# KiCad board Thermal_Camera.kicad_pcb (continued)
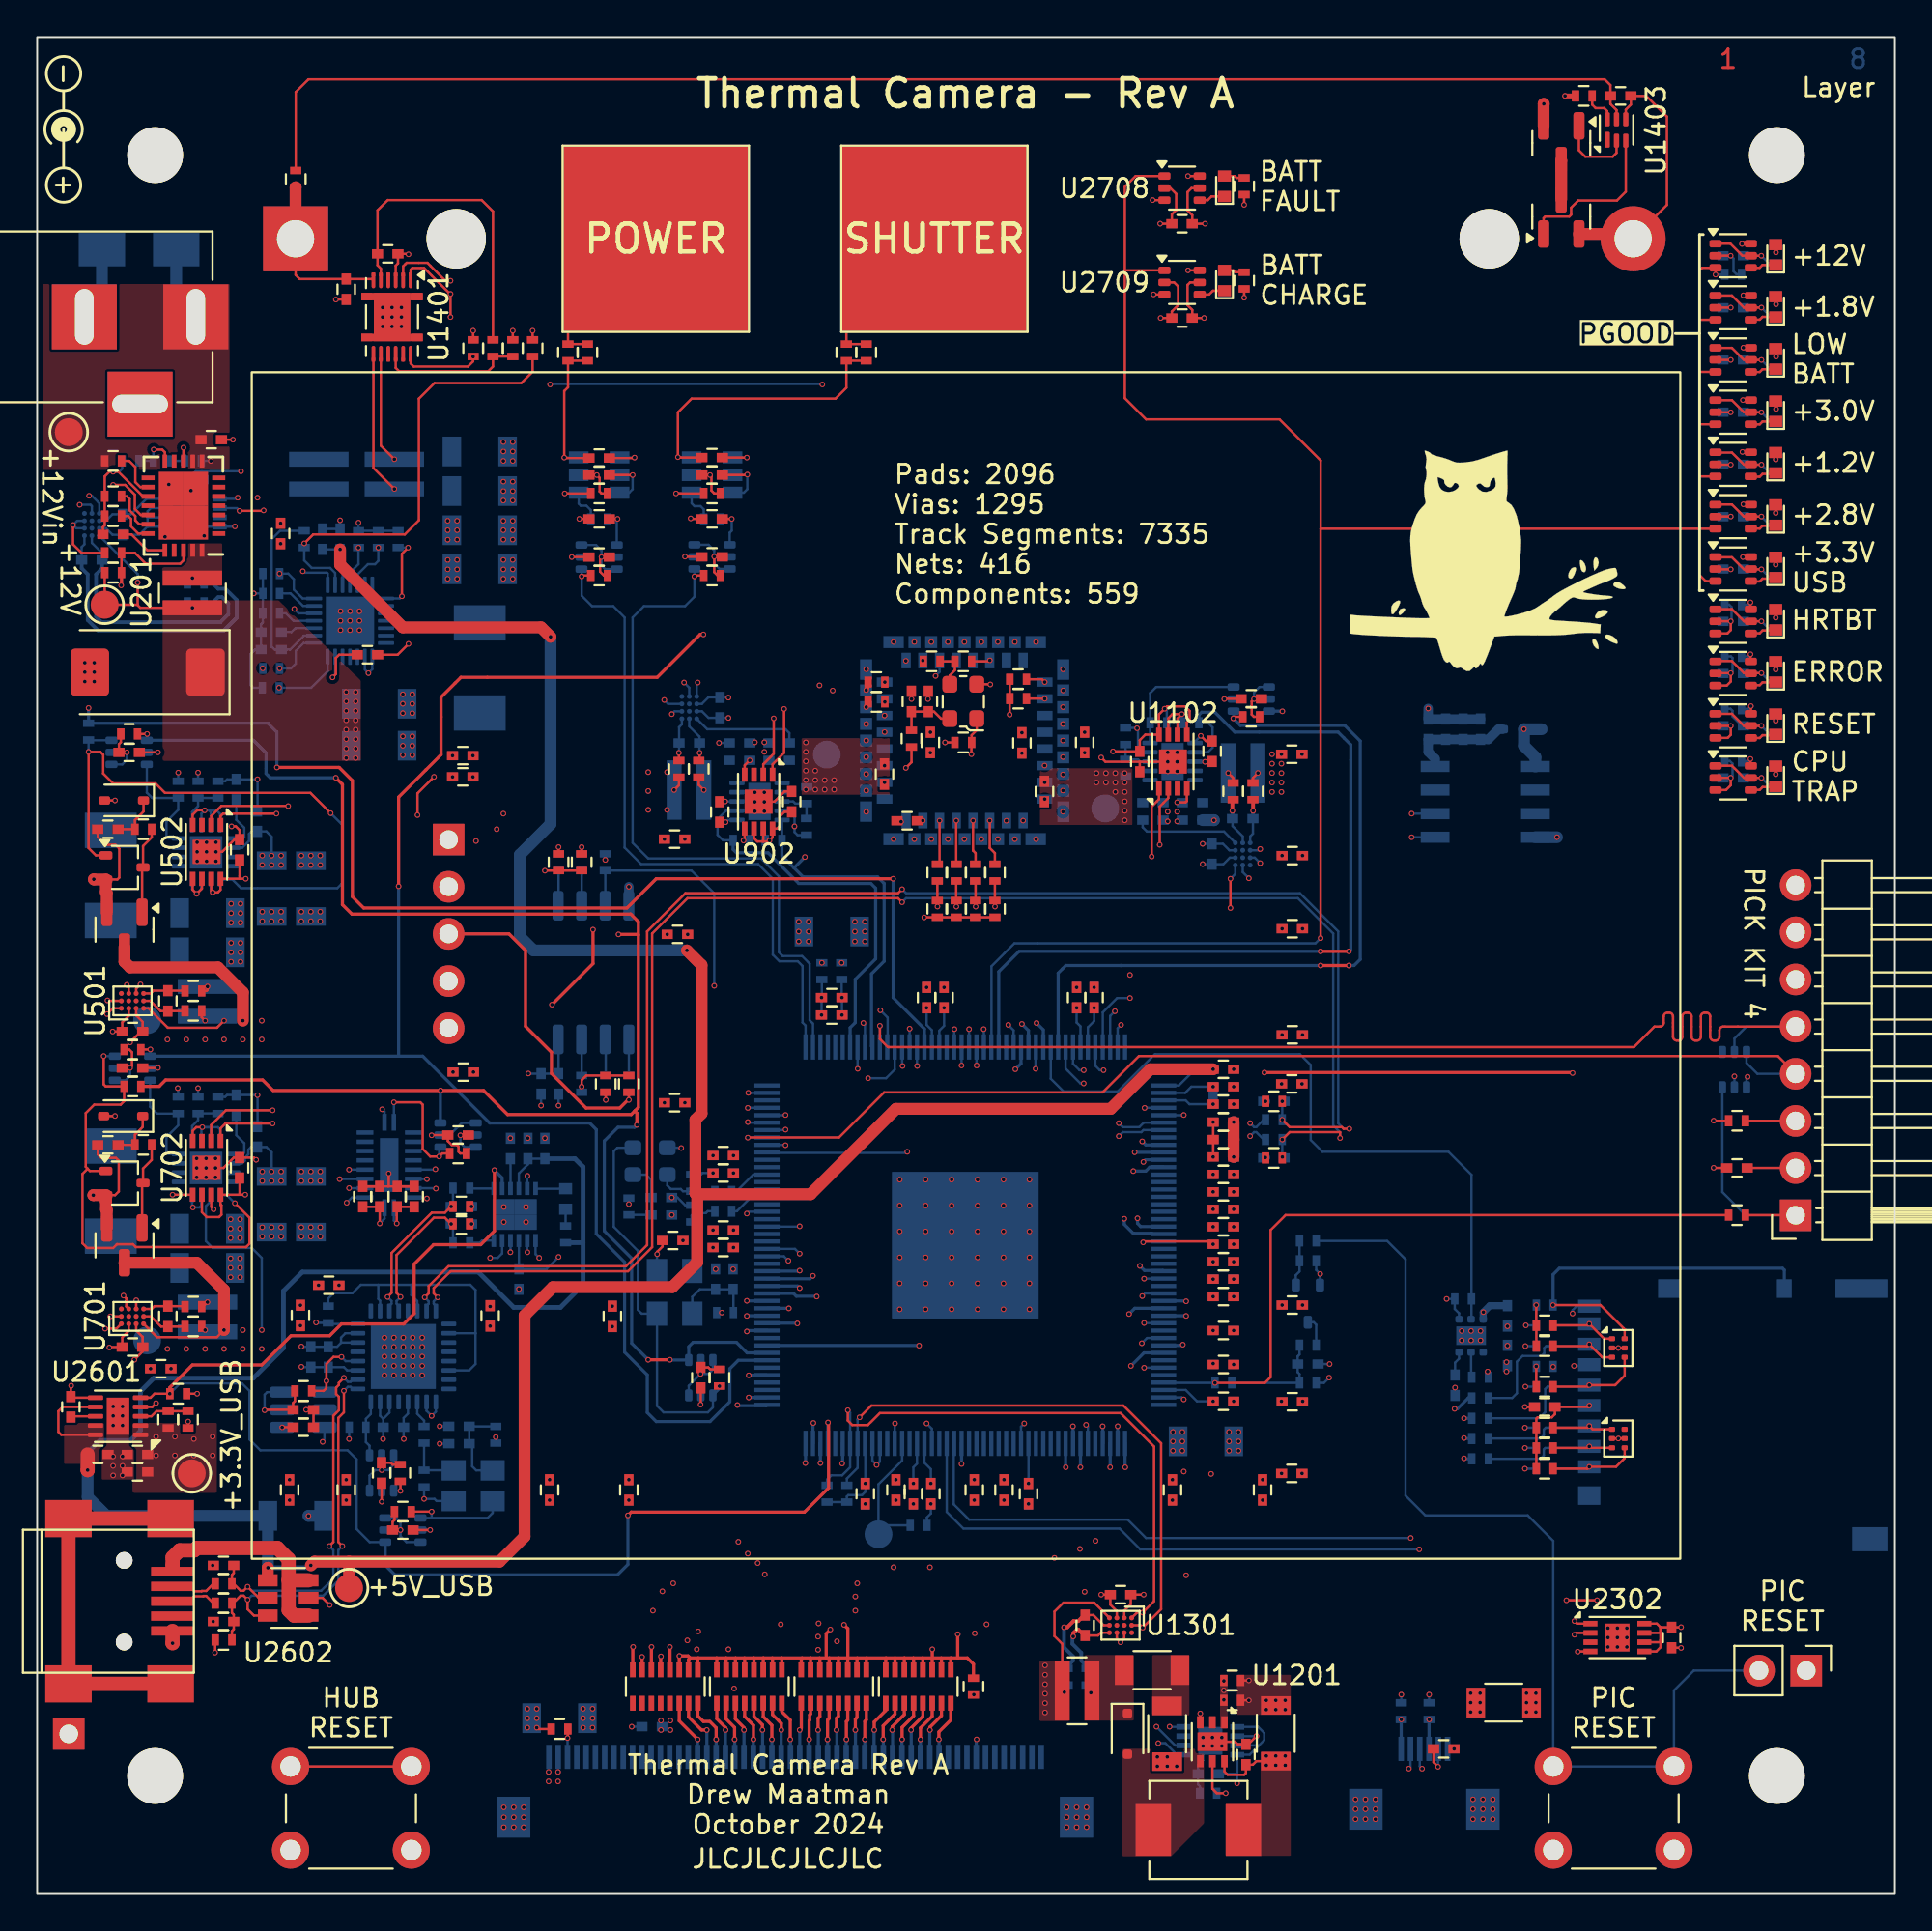
[diagram p0: board, top side]
## Routing (per net, layer and track width the routed paths; a pad name or vN(x,y) marks a point on that pad's centre or on a via; arc(x,y) is an arc through that point) (continued)
  In5.Cu w0.169: v1(51.1,14.52) 49.25,14.52 48.59,13.86 43.31,13.86 v1(43.05,13.6)
  Bottom w0.169: v1(43.03,8.83) 43.05,8.81 J2101.23 ; U1701.75 59.08,31.54 v1(58.78,31.23)
GLCD_G4: length 45.6
  Top w0.169: v1(42.55,8.32) 42.55,9.36 42.63,9.45 RN2102.12
  In2.Cu w0.169: v1(42.04,13.86) 42.55,13.35 v1(42.55,8.32) ; v1(38.3,26.73) 38.3,26.12 35.56,23.38 35.56,21.89 arc(35.52,21.79) 35.41,21.74 35.14,21.74 arc(35.03,21.7) 34.99,21.6 34.99,21.52 arc(35.03,21.42) 35.14,21.37 35.41,21.37 arc(35.52,21.33) 35.56,21.23 35.56,21.15 arc(35.52,21.05) 35.41,21 35.14,21 arc(35.03,20.96) 34.99,20.86 34.99,20.78 arc(35.03,20.68) 35.14,20.63 35.41,20.63 arc(35.52,20.59) 35.56,20.49 35.56,20.41 arc(35.52,20.31) 35.41,20.26 35.14,20.26 arc(35.03,20.22) 34.99,20.12 34.99,20.04 arc(35.03,19.94) 35.14,19.89 35.41,19.89 arc(35.52,19.85) 35.56,19.75 35.56,19.67 arc(35.52,19.57) 35.41,19.52 35.14,19.52 arc(35.03,19.48) 34.99,19.38 34.99,19.3 arc(35.03,19.2) 35.14,19.15 35.41,19.15 arc(35.52,19.11) 35.56,19.01 35.56,18.93 arc(35.52,18.83) 35.41,18.78 35.14,18.78 arc(35.03,18.74) 34.99,18.64 34.99,18.56 arc(35.03,18.46) 35.14,18.41 35.41,18.41 arc(35.52,18.37) 35.56,18.27 35.56,18.19 arc(35.52,18.09) 35.41,18.04 35.14,18.04 arc(35.03,18) 34.99,17.9 34.99,17.82 arc(35.03,17.72) 35.14,17.67 35.41,17.67 arc(35.52,17.63) 35.56,17.53 35.56,17.45 arc(35.52,17.35) 35.41,17.3 35.14,17.3 arc(35.03,17.26) 34.99,17.16 34.99,17.08 arc(35.03,16.98) 35.14,16.93 35.41,16.93 arc(35.52,16.89) 35.56,16.79 35.56,16.71 arc(35.52,16.61) 35.41,16.56 35.14,16.56 arc(35.03,16.52) 34.99,16.42 34.99,16.34 arc(35.03,16.24) 35.14,16.19 35.41,16.19 arc(35.52,16.15) 35.56,16.05 35.56,15.97 arc(35.52,15.87) 35.41,15.82 35.14,15.82 arc(35.03,15.78) 34.99,15.68 34.99,15.6 arc(35.03,15.5) 35.14,15.45 35.41,15.45 arc(35.52,15.41) 35.56,15.31 35.56,15.23 arc(35.52,15.13) 35.41,15.08 35.14,15.08 arc(35.03,15.04) 34.99,14.94 34.99,14.86 arc(35.03,14.76) 35.14,14.71 35.41,14.71 arc(35.52,14.67) 35.56,14.57 35.56,14.16 v1(35.59,14.14)
  In5.Cu w0.169: v1(42.04,13.86) 41.86,14.03 39.6,14.03 arc(39.5,14.08) 39.46,14.18 39.46,14.69 arc(39.41,14.79) 39.31,14.83 39.24,14.83 arc(39.14,14.79) 39.1,14.69 39.1,14.18 arc(39.05,14.08) 38.95,14.03 38.88,14.03 arc(38.78,14.08) 38.74,14.18 38.74,14.69 arc(38.69,14.79) 38.59,14.83 38.52,14.83 arc(38.42,14.79) 38.38,14.69 38.38,14.18 arc(38.33,14.08) 38.23,14.03 38.16,14.03 arc(38.06,14.08) 38.02,14.18 38.02,14.69 arc(37.97,14.79) 37.87,14.83 37.8,14.83 arc(37.7,14.79) 37.66,14.69 37.66,14.18 arc(37.61,14.08) 37.51,14.03 37.44,14.03 arc(37.34,14.08) 37.3,14.18 37.3,14.69 arc(37.25,14.79) 37.15,14.83 37.08,14.83 arc(36.98,14.79) 36.94,14.69 36.94,14.18 arc(36.89,14.08) 36.79,14.03 36.72,14.03 arc(36.62,14.08) 36.58,14.18 36.58,14.69 arc(36.53,14.79) 36.43,14.83 36.36,14.83 arc(36.26,14.79) 36.22,14.69 36.22,14.18 arc(36.17,14.08) 36.07,14.03 35.69,14.03 v1(35.59,14.14)
  Bottom w0.169: v1(42.55,8.32) 42.55,8.31 J2101.24 ; v1(38.3,26.73) 38.31,26.74 U1701.134
GLCD_G5: length 48.1
  Top w0.169: v1(42.04,8.83) 42.04,9.46 42.13,9.56 RN2102.11
  In2.Cu w0.169: v1(42.04,8.83) v1(42.04,13.14) ; v1(37.69,26.33) 34.7,23.33 34.7,16.22 arc(34.66,16.14) 34.58,16.1 34.16,16.1 arc(34.08,16.07) 34.05,15.99 34.05,15.93 arc(34.08,15.85) 34.16,15.81 34.58,15.81 arc(34.66,15.78) 34.7,15.7 34.7,15.64 arc(34.66,15.56) 34.58,15.52 33.71,15.52 arc(33.63,15.49) 33.6,15.41 33.6,15.35 arc(33.63,15.27) 33.71,15.23 34.58,15.23 arc(34.66,15.2) 34.7,15.12 34.7,15.06 arc(34.66,14.98) 34.58,14.94 33.51,14.94 arc(33.43,14.91) 33.4,14.83 33.4,14.77 arc(33.43,14.69) 33.51,14.65 34.58,14.65 arc(34.66,14.62) 34.7,14.54 34.7,14.48 arc(34.66,14.4) 34.58,14.36 33.11,14.36 arc(33.03,14.33) 33,14.25 33,14.19 arc(33.03,14.11) 33.11,14.07 34.58,14.07 arc(34.66,14.04) 34.7,13.96 v1(35,13.65)
  In5.Cu w0.169: v1(35,13.65) 35.03,13.63 37.55,13.63 arc(37.67,13.58) 37.72,13.45 37.72,12.49 arc(37.77,12.37) 37.9,12.32 37.99,12.32 arc(38.11,12.37) 38.16,12.49 38.16,13.45 arc(38.21,13.58) 38.34,13.63 38.43,13.63 arc(38.55,13.58) 38.6,13.45 38.6,12.49 arc(38.65,12.37) 38.78,12.32 38.87,12.32 arc(38.99,12.37) 39.04,12.49 39.04,13.45 arc(39.09,13.58) 39.22,13.63 39.31,13.63 arc(39.43,13.58) 39.48,13.45 39.48,12.49 arc(39.53,12.37) 39.66,12.32 39.75,12.32 arc(39.87,12.37) 39.92,12.49 39.92,13.45 arc(39.97,13.58) 40.1,13.63 40.19,13.63 arc(40.31,13.58) 40.36,13.45 40.36,12.49 arc(40.41,12.37) 40.54,12.32 40.63,12.32 arc(40.75,12.37) 40.8,12.49 40.8,13.45 arc(40.85,13.58) 40.98,13.63 41.55,13.63 v1(42.04,13.14)
  Bottom w0.169: v1(42.04,8.83) 42.05,8.81 J2101.25 ; v1(37.69,26.33) 37.73,26.3 39.24,26.3 U1701.133
GLCD_G6: length 42.3
  Top w0.169: RN2102.10 41.63,9.69 41.58,9.64 41.58,9.36 41.55,9.33 v1(41.55,8.32)
  In2.Cu w0.169: v1(41.55,8.32) 41.55,9.2 arc(41.52,9.28) 41.43,9.32 arc(41.34,9.36) 41.3,9.45 41.3,9.54 arc(41.34,9.62) 41.43,9.66 41.65,9.66 arc(41.73,9.69) 41.75,9.76 41.75,9.9 arc(41.73,9.97) 41.65,10 41.43,10 arc(41.34,10.04) 41.3,10.13 41.3,10.22 arc(41.34,10.3) 41.43,10.34 41.65,10.34 arc(41.73,10.37) 41.75,10.44 41.75,10.58 arc(41.73,10.65) 41.65,10.68 41.43,10.68 arc(41.34,10.72) 41.3,10.81 41.3,10.9 arc(41.34,10.98) 41.43,11.02 41.65,11.02 arc(41.73,11.05) 41.75,11.12 41.75,11.26 arc(41.73,11.33) 41.65,11.36 41.43,11.36 arc(41.34,11.4) 41.3,11.49 41.3,11.58 arc(41.34,11.66) 41.43,11.7 41.65,11.7 arc(41.73,11.73) 41.75,11.8 41.75,11.94 arc(41.73,12.01) 41.65,12.04 41.43,12.04 arc(41.34,12.08) 41.3,12.17 41.3,12.26 arc(41.34,12.34) 41.43,12.38 41.65,12.38 arc(41.73,12.41) 41.75,12.48 41.75,12.62 arc(41.73,12.69) 41.65,12.72 41.43,12.72 arc(41.34,12.76) 41.3,12.85 41.3,12.94 arc(41.34,13.02) 41.43,13.06 arc(41.52,13.1) 41.55,13.19 41.55,13.28 arc(41.52,13.36) 41.43,13.4 arc(41.34,13.44) 41.3,13.53 41.3,13.62 arc(41.34,13.7) 41.43,13.74 arc(41.52,13.78) 41.55,13.87 41.55,13.96 arc(41.52,14.04) 41.43,14.08 arc(41.34,14.12) 41.3,14.21 41.3,14.3 arc(41.34,14.38) 41.43,14.42 arc(41.52,14.46) 41.55,14.55 41.55,14.64 arc(41.52,14.72) 41.43,14.76 arc(41.34,14.8) 41.3,14.89 41.3,14.98 arc(41.34,15.06) 41.43,15.1 41.68,15.1 arc(41.77,15.14) 41.8,15.23 41.8,15.32 arc(41.77,15.4) 41.68,15.44 41.43,15.44 arc(41.34,15.48) 41.3,15.57 41.3,15.66 arc(41.34,15.74) 41.43,15.78 41.68,15.78 arc(41.77,15.82) 41.8,15.91 41.8,16 arc(41.77,16.08) 41.68,16.12 41.43,16.12 arc(41.34,16.16) 41.3,16.25 41.3,16.34 arc(41.34,16.42) 41.43,16.46 41.68,16.46 arc(41.77,16.5) 41.8,16.59 41.8,16.68 arc(41.77,16.76) 41.68,16.8 arc(41.59,16.84) 41.55,16.93 41.55,17.39 41.35,17.59 arc(41.31,17.69) 41.22,17.73 40.79,17.73 arc(40.69,17.77) 40.65,17.86 40.65,17.93 arc(40.69,18.03) 40.79,18.07 41.67,18.07 arc(41.76,18.11) 41.8,18.2 41.8,18.27 arc(41.76,18.37) 41.67,18.41 40.79,18.41 arc(40.69,18.45) 40.65,18.54 40.65,18.61 arc(40.69,18.71) 40.79,18.75 41.67,18.75 arc(41.76,18.79) 41.8,18.88 41.8,18.95 arc(41.76,19.05) 41.67,19.09 40.79,19.09 arc(40.69,19.13) 40.65,19.22 40.65,19.29 arc(40.69,19.39) 40.79,19.43 41.67,19.43 arc(41.76,19.47) 41.8,19.56 41.8,19.63 arc(41.76,19.73) 41.67,19.77 40.79,19.77 arc(40.69,19.81) 40.65,19.9 40.65,19.97 arc(40.69,20.07) 40.79,20.11 42.12,20.11 arc(42.21,20.15) 42.25,20.24 42.25,20.31 arc(42.21,20.41) 42.12,20.45 40.79,20.45 arc(40.69,20.49) 40.65,20.58 40.65,20.65 arc(40.69,20.75) 40.79,20.79 42.22,20.79 arc(42.31,20.83) 42.35,20.92 42.35,20.99 arc(42.31,21.09) 42.22,21.13 40.79,21.13 arc(40.69,21.17) 40.65,21.26 40.65,21.33 arc(40.69,21.43) 40.79,21.47 42.22,21.47 arc(42.31,21.51) 42.35,21.6 42.35,21.67 arc(42.31,21.77) 42.22,21.81 40.79,21.81 arc(40.69,21.85) 40.65,21.94 40.65,22.01 arc(40.69,22.11) 40.79,22.15 41.22,22.15 arc(41.31,22.19) 41.35,22.28 v1(41.35,23.2)
  Bottom w0.169: U1701.132 41.36,23.21 v1(41.35,23.2) ; J2101.26 41.55,8.31 v1(41.55,8.32)
GLCD_G7: length 43.1
  Top w0.169: RN2102.9 41.13,8.91 v1(41.05,8.83)
  In2.Cu w0.169: v1(41.05,8.83) 41.05,14.71 arc(41,14.83) 40.87,14.88 40.81,14.88 arc(40.69,14.93) 40.64,15.05 40.64,15.14 arc(40.69,15.26) 40.81,15.31 40.87,15.31 arc(41,15.36) 41.05,15.48 41.05,15.57 arc(41,15.69) 40.87,15.74 40.06,15.74 arc(39.94,15.79) 39.89,15.91 39.89,16 arc(39.94,16.12) 40.06,16.17 40.87,16.17 arc(41,16.22) 41.05,16.34 41.05,16.57 40.36,17.26 arc(40.31,17.38) 40.19,17.43 40.07,17.43 arc(39.95,17.48) 39.9,17.6 39.9,17.69 arc(39.95,17.81) 40.07,17.86 40.19,17.86 arc(40.31,17.91) 40.36,18.03 40.36,18.12 arc(40.31,18.24) 40.19,18.29 39.52,18.29 arc(39.4,18.34) 39.35,18.46 39.35,18.55 arc(39.4,18.67) 39.52,18.72 40.19,18.72 arc(40.31,18.77) 40.36,18.89 40.36,18.98 arc(40.31,19.1) 40.19,19.15 39.02,19.15 arc(38.9,19.2) 38.85,19.32 38.85,19.41 arc(38.9,19.53) 39.02,19.58 40.19,19.58 arc(40.31,19.63) 40.36,19.75 40.36,19.84 arc(40.31,19.96) 40.19,20.01 39.02,20.01 arc(38.9,20.06) 38.85,20.18 38.85,20.27 arc(38.9,20.39) 39.02,20.44 40.19,20.44 arc(40.31,20.49) 40.36,20.61 40.36,20.7 arc(40.31,20.82) 40.19,20.87 39.02,20.87 arc(38.9,20.92) 38.85,21.04 38.85,21.13 arc(38.9,21.25) 39.02,21.3 40.19,21.3 arc(40.31,21.35) 40.36,21.47 40.36,21.56 arc(40.31,21.68) 40.19,21.73 39.02,21.73 arc(38.9,21.78) 38.85,21.9 38.85,21.99 arc(38.9,22.11) 39.02,22.16 40.19,22.16 arc(40.31,22.21) 40.36,22.33 40.36,22.42 arc(40.31,22.54) 40.19,22.59 39.12,22.59 arc(39,22.64) 38.95,22.76 38.95,22.85 arc(39,22.97) 39.12,23.02 40.7,23.02 arc(40.82,23.07) 40.87,23.19 40.87,23.28 arc(40.82,23.4) 40.7,23.45 40.53,23.45 arc(40.41,23.5) 40.36,23.62 40.36,23.94 40.7,24.28 arc(40.74,24.37) 40.7,24.46 arc(40.66,24.55) 40.7,24.65 40.82,24.77 arc(40.91,24.8) 41,24.77 41.79,23.98 arc(41.92,23.93) 42.04,23.98 42.1,24.04 arc(42.15,24.16) 42.1,24.28 41.52,24.86 arc(41.47,24.98) 41.52,25.1 v1(41.78,25.36)
  Bottom w0.169: v1(41.78,25.36) 41.76,25.34 U1701.131 ; v1(41.05,8.83) 41.05,8.82 J2101.27
GLCD_GCLK: length 44
  Top w0.169: RN2104.14 34.56,9.31 v1(35.56,8.32)
  In2.Cu w0.169: v1(41.96,32.17) 41.72,32.17 40.48,30.93 40.48,30.32 41.05,29.76 41.05,29.08 arc(41,28.97) 40.9,28.93 arc(40.79,28.88) 40.75,28.78 40.75,28.48 arc(40.79,28.37) 40.9,28.33 arc(41,28.28) 41.05,28.18 41.05,27.88 arc(41,27.77) 40.9,27.73 arc(40.79,27.68) 40.75,27.58 40.75,27.28 arc(40.79,27.17) 40.9,27.13 arc(41,27.08) 41.05,26.98 41.05,26.33 40.5,25.78 arc(40.38,25.73) 40.25,25.78 arc(40.13,25.83) 40,25.78 39.83,25.6 arc(39.78,25.48) 39.83,25.36 arc(39.88,25.23) 39.83,25.11 39.65,24.93 arc(39.53,24.88) 39.4,24.93 arc(39.28,24.98) 39.16,24.93 38.98,24.76 arc(38.93,24.63) 38.98,24.51 arc(39.03,24.38) 38.98,24.26 37.21,22.49 v1(37.21,13.17) ; v1(35.51,13.17) 35.51,12.23 arc(35.45,12.1) 35.32,12.05 34.7,12.05 arc(34.56,11.99) 34.51,11.86 34.51,11.76 arc(34.56,11.63) 34.7,11.58 35.63,11.58 arc(35.72,11.54) 35.76,11.45 35.76,11.23 arc(35.72,11.14) 35.63,11.11 34.7,11.11 arc(34.56,11.05) 34.51,10.92 34.51,10.82 arc(34.56,10.69) 34.7,10.64 35.63,10.64 arc(35.72,10.6) 35.76,10.51 35.76,10.29 arc(35.72,10.2) 35.63,10.17 34.7,10.17 arc(34.56,10.11) 34.51,9.98 34.51,9.88 arc(34.56,9.75) 34.7,9.7 35.63,9.7 arc(35.72,9.66) 35.76,9.57 35.76,9.35 arc(35.72,9.26) 35.63,9.23 34.75,9.23 arc(34.61,9.17) 34.56,9.04 34.56,8.94 arc(34.61,8.81) 34.75,8.76 35.32,8.76 arc(35.45,8.7) 35.51,8.57 35.51,8.37 v1(35.56,8.32)
  In5.Cu w0.169: v1(37.21,13.17) v1(35.51,13.17)
  Bottom w0.169: v1(41.96,32.17) 41.94,32.19 40.86,32.19 40.71,32.34 U1701.148 ; v1(35.56,8.32) 35.55,8.31 J2101.38
GLCD_GEN: length 30.1
  Top w0.127: R2104.1 28.57,8.41 v1(28.55,8.39)
  In2.Cu w0.169: v1(38.2,31.94) 32.59,26.33 32.59,16.5 28.55,12.46 v1(28.55,8.39)
  Bottom w0.127: J2101.52 v1(28.55,8.39)
  Bottom w0.169: v1(38.2,31.94) 38.2,31.94 U1701.147
GLCD_HSYNC: length 47.7
  Top w0.169: v1(36.55,8.32) 36.55,8.94 36.21,9.28 35.86,9.28 35.56,9.58 RN2104.16
  In2.Cu w0.169: v1(36.55,8.32) 36.55,9.17 arc(36.51,9.26) 36.43,9.3 arc(36.34,9.33) 36.3,9.42 36.3,9.54 arc(36.34,9.63) 36.43,9.67 37.1,9.67 arc(37.21,9.71) 37.25,9.82 37.25,9.89 arc(37.21,9.99) 37.1,10.04 36.43,10.04 arc(36.34,10.07) 36.3,10.16 36.3,10.28 arc(36.34,10.37) 36.43,10.41 37.1,10.41 arc(37.21,10.45) 37.25,10.56 37.25,10.63 arc(37.21,10.73) 37.1,10.78 36.43,10.78 arc(36.34,10.81) 36.3,10.9 36.3,11.02 arc(36.34,11.11) 36.43,11.15 36.85,11.15 arc(36.96,11.19) 37,11.3 37,11.37 arc(36.96,11.47) 36.85,11.52 36.43,11.52 arc(36.34,11.55) 36.3,11.64 36.3,11.76 arc(36.34,11.85) 36.43,11.89 37.4,11.89 arc(37.51,11.93) 37.55,12.04 37.55,12.11 arc(37.51,12.21) 37.4,12.26 36.43,12.26 arc(36.34,12.29) 36.3,12.38 36.3,12.5 arc(36.34,12.59) 36.43,12.63 arc(36.51,12.66) 36.55,12.75 36.55,13.82 arc(36.51,13.9) 36.43,13.94 arc(36.34,13.98) 36.3,14.07 36.3,14.2 arc(36.34,14.28) 36.43,14.32 36.8,14.32 arc(36.91,14.37) 36.95,14.47 36.95,14.55 arc(36.91,14.66) 36.8,14.7 36.43,14.7 arc(36.34,14.74) 36.3,14.83 36.3,14.96 arc(36.34,15.04) 36.43,15.08 36.8,15.08 arc(36.91,15.13) 36.95,15.23 36.95,15.31 arc(36.91,15.42) 36.8,15.46 36.43,15.46 arc(36.34,15.5) 36.3,15.59 36.3,15.72 arc(36.34,15.8) 36.43,15.84 36.8,15.84 arc(36.91,15.89) 36.95,15.99 36.95,16.07 arc(36.91,16.18) 36.8,16.22 36.43,16.22 arc(36.34,16.26) 36.3,16.35 36.3,16.48 arc(36.34,16.56) 36.43,16.6 36.8,16.6 arc(36.91,16.65) 36.95,16.75 36.95,16.83 arc(36.91,16.94) 36.8,16.98 36.43,16.98 arc(36.34,17.02) 36.3,17.11 36.3,17.24 arc(36.34,17.32) 36.43,17.36 36.8,17.36 arc(36.91,17.41) 36.95,17.51 36.95,17.59 arc(36.91,17.7) 36.8,17.74 36.43,17.74 arc(36.34,17.78) 36.3,17.87 36.3,18 arc(36.34,18.08) 36.43,18.12 36.8,18.12 arc(36.91,18.17) 36.95,18.27 36.95,18.35 arc(36.91,18.46) 36.8,18.5 36.43,18.5 arc(36.34,18.54) 36.3,18.63 36.3,18.76 arc(36.34,18.84) 36.43,18.88 36.8,18.88 arc(36.91,18.93) 36.95,19.03 36.95,19.11 arc(36.91,19.22) 36.8,19.26 36.43,19.26 arc(36.34,19.3) 36.3,19.39 36.3,19.52 arc(36.34,19.6) 36.43,19.64 36.8,19.64 arc(36.91,19.69) 36.95,19.79 36.95,19.87 arc(36.91,19.98) 36.8,20.02 36.7,20.02 arc(36.6,20.07) 36.55,20.17 36.55,22.72 40.46,26.63 40.46,29.35 39.62,30.19 39.62,31.41 40.84,32.63 v1(41.05,32.63)
  Bottom w0.169: v1(36.55,8.32) 36.55,8.32 J2101.36 ; v1(41.05,32.63) 40.94,32.74 U1701.149
GLCD_R0: length 49.7
  Top w0.169: RN2103.16 40.09,9.81 40.54,9.36 v1(40.54,8.32)
  In2.Cu w0.169: v1(40.92,30.72) 41.88,29.76 41.88,29.29 arc(41.92,29.2) 42.02,29.16 42.38,29.16 arc(42.47,29.12) 42.51,29.02 42.51,28.95 arc(42.47,28.86) 42.38,28.82 41.44,28.82 arc(41.34,28.78) 41.3,28.68 41.3,28.61 arc(41.34,28.52) 41.44,28.48 42.38,28.48 arc(42.47,28.44) 42.51,28.34 42.51,28.27 arc(42.47,28.18) 42.38,28.14 41.44,28.14 arc(41.34,28.1) 41.3,28 41.3,27.93 arc(41.34,27.84) 41.44,27.8 42.38,27.8 arc(42.47,27.76) 42.51,27.66 42.51,27.59 arc(42.47,27.5) 42.38,27.46 41.44,27.46 arc(41.34,27.42) 41.3,27.32 41.3,27.25 arc(41.34,27.16) 41.44,27.12 42.38,27.12 arc(42.47,27.08) 42.51,26.98 42.51,26.91 arc(42.47,26.82) 42.38,26.78 42.02,26.78 arc(41.92,26.74) 41.88,26.64 41.88,26.25 41.63,26 arc(41.53,25.96) 41.44,26 41.36,26.07 arc(41.26,26.11) 41.17,26.07 41.12,26.02 arc(41.08,25.93) 41.12,25.83 41.2,25.76 arc(41.24,25.66) 41.2,25.56 41.15,25.51 arc(41.05,25.47) 40.96,25.51 40.88,25.59 arc(40.78,25.63) 40.69,25.59 40.64,25.54 arc(40.6,25.45) 40.64,25.35 40.72,25.27 arc(40.76,25.18) 40.72,25.08 40.67,25.03 arc(40.57,24.99) 40.48,25.03 40.4,25.11 arc(40.3,25.15) 40.21,25.11 40.16,25.06 arc(40.12,24.97) 40.16,24.87 40.23,24.79 arc(40.27,24.7) 40.23,24.6 40.19,24.55 arc(40.09,24.51) 39.99,24.55 39.92,24.63 arc(39.82,24.67) 39.73,24.63 39.68,24.58 arc(39.64,24.49) 39.68,24.39 40.06,24.01 arc(40.1,23.91) 40.06,23.82 40.01,23.77 arc(39.91,23.73) 39.82,23.77 39.44,24.15 arc(39.34,24.19) 39.24,24.15 39.2,24.1 arc(39.16,24) 39.2,23.91 39.54,23.56 arc(39.58,23.47) 39.54,23.37 39.49,23.32 arc(39.4,23.28) 39.3,23.32 38.96,23.67 arc(38.86,23.71) 38.76,23.67 38.72,23.62 arc(38.68,23.52) 38.72,23.43 38.79,23.35 arc(38.83,23.25) 38.79,23.16 38.74,23.11 arc(38.65,23.07) 38.55,23.11 38.48,23.19 arc(38.38,23.23) 38.28,23.19 38.24,23.14 arc(38.2,23.04) 38.24,22.95 38.62,22.57 arc(38.66,22.47) 38.62,22.37 38.57,22.33 arc(38.47,22.29) 38.38,22.33 38.26,22.44 arc(38.17,22.48) 38.07,22.44 37.8,22.16 37.8,21.89 arc(37.84,21.8) 37.93,21.76 38.39,21.76 arc(38.49,21.72) 38.53,21.62 38.53,21.55 arc(38.49,21.46) 38.39,21.42 37.65,21.42 arc(37.56,21.38) 37.52,21.28 37.52,21.21 arc(37.56,21.12) 37.65,21.08 38.39,21.08 arc(38.49,21.04) 38.53,20.94 38.53,20.87 arc(38.49,20.78) 38.39,20.74 37.65,20.74 arc(37.56,20.7) 37.52,20.6 37.52,20.53 arc(37.56,20.44) 37.65,20.4 38.39,20.4 arc(38.49,20.36) 38.53,20.26 38.53,20.19 arc(38.49,20.1) 38.39,20.06 37.93,20.06 arc(37.84,20.02) 37.8,19.92 37.8,19.53 38.05,19.28 arc(38.14,19.24) 38.24,19.28 38.32,19.35 arc(38.41,19.39) 38.51,19.35 38.56,19.31 arc(38.6,19.21) 38.56,19.11 38.48,19.04 arc(38.44,18.94) 38.48,18.85 38.53,18.8 arc(38.62,18.76) 38.72,18.8 38.76,18.84 arc(38.86,18.88) 38.95,18.84 39,18.79 arc(39.04,18.69) 39,18.6 38.96,18.56 arc(38.92,18.46) 38.96,18.36 39.61,17.72 39.61,15.6 40.54,14.67 v1(40.54,8.32)
  Bottom w0.169: U1701.144 40.9,30.74 v1(40.92,30.72) ; J2101.28 40.55,8.31 v1(40.54,8.32)
GLCD_R1: length 42.4
  Top w0.169: v1(40.06,8.83) 40.06,9.18 39.59,9.65 RN2103.15
  In2.Cu w0.169: v1(42.06,14.57) 42.06,14.79 arc(42.12,14.91) 42.24,14.97 43.4,14.97 arc(43.53,15.02) 43.58,15.15 43.58,15.24 arc(43.53,15.36) 43.4,15.42 42.24,15.42 arc(42.12,15.47) 42.06,15.6 42.06,15.69 arc(42.12,15.81) 42.24,15.87 43.4,15.87 arc(43.53,15.92) 43.58,16.05 43.58,16.14 arc(43.53,16.26) 43.4,16.32 42.24,16.32 arc(42.12,16.37) 42.06,16.5 42.06,16.59 arc(42.12,16.71) 42.24,16.77 43.4,16.77 arc(43.53,16.82) 43.58,16.95 43.58,17.04 arc(43.53,17.16) 43.4,17.22 42.24,17.22 arc(42.12,17.27) 42.06,17.4 42.06,17.49 arc(42.12,17.61) 42.24,17.67 43.4,17.67 arc(43.53,17.72) 43.58,17.85 43.58,17.94 arc(43.53,18.06) 43.4,18.12 42.24,18.12 arc(42.12,18.17) 42.06,18.3 42.06,18.39 arc(42.12,18.51) 42.24,18.57 42.75,18.57 arc(42.88,18.62) 42.93,18.75 42.93,18.84 arc(42.88,18.96) 42.75,19.02 42.24,19.02 arc(42.12,19.07) 42.06,19.2 42.06,19.62 42.6,20.16 arc(42.68,20.19) 42.75,20.16 43.16,19.75 arc(43.24,19.72) 43.31,19.75 43.35,19.79 arc(43.38,19.86) 43.35,19.93 42.62,20.66 arc(42.59,20.73) 42.62,20.8 42.66,20.84 arc(42.73,20.87) 42.8,20.84 42.97,20.67 arc(43.04,20.64) 43.11,20.67 43.33,20.89 43.33,21.08 arc(43.36,21.15) 43.44,21.18 43.52,21.18 arc(43.59,21.21) 43.62,21.28 43.62,21.33 arc(43.59,21.41) 43.52,21.44 42.75,21.44 arc(42.67,21.47) 42.64,21.54 42.64,21.59 arc(42.67,21.66) 42.75,21.69 43.52,21.69 arc(43.59,21.72) 43.62,21.8 43.62,21.85 arc(43.59,21.92) 43.52,21.95 42.55,21.95 arc(42.47,21.98) 42.44,22.06 42.44,22.11 arc(42.47,22.18) 42.55,22.21 43.52,22.21 arc(43.59,22.24) 43.62,22.31 43.62,22.36 arc(43.59,22.44) 43.52,22.47 42.2,22.47 arc(42.12,22.5) 42.09,22.57 42.09,22.62 arc(42.12,22.7) 42.2,22.73 43.23,22.73 arc(43.3,22.76) 43.33,22.83 v1(43.33,23.18) ; v1(40.06,8.83) 40.06,14.49 v1(40.03,14.52)
  In5.Cu w0.169: v1(42.06,14.57) 40.08,14.57 v1(40.03,14.52)
  Bottom w0.169: v1(43.33,23.18) 43.36,23.21 U1701.127 ; v1(40.06,8.83) 40.05,8.82 J2101.29
GLCD_R2: length 50.3
  Top w0.169: RN2103.14 39.09,9.54 39.55,9.08 v1(39.55,8.32)
  In2.Cu w0.169: v1(61.85,31.13) 62.16,30.82 62.16,17.47 v1(61.85,17.16) ; v1(39.17,17.21) 39.29,17.08 39.29,14.21 39.55,13.96 v1(39.55,8.32)
  In5.Cu w0.169: v1(61.85,17.16) 61.84,17.15 45.92,17.15 45.86,17.21 v1(39.17,17.21)
  Bottom w0.169: v1(61.85,31.13) 61.84,31.14 U1701.76 ; J2101.30 39.55,8.32 v1(39.55,8.32)
GLCD_R3: length 48.4
  Top w0.169: v1(39.04,8.83) 39.04,9.11 38.59,9.56 RN2103.13
  In2.Cu w0.169: v1(55.75,25.18) 54.76,24.19 54.76,23.82 arc(54.71,23.7) 54.58,23.64 53.74,23.64 arc(53.62,23.59) 53.56,23.46 53.56,23.37 arc(53.62,23.25) 53.74,23.19 54.58,23.19 arc(54.71,23.14) 54.76,23.01 54.76,22.92 arc(54.71,22.8) 54.58,22.74 53.89,22.74 arc(53.77,22.69) 53.71,22.56 53.71,22.47 arc(53.77,22.35) 53.89,22.29 54.58,22.29 arc(54.71,22.24) 54.76,22.11 54.76,22.02 arc(54.71,21.9) 54.58,21.84 53.84,21.84 arc(53.72,21.79) 53.66,21.66 53.66,21.57 arc(53.72,21.45) 53.84,21.39 54.58,21.39 arc(54.71,21.34) 54.76,21.21 54.76,21.12 arc(54.71,21) 54.58,20.94 53.94,20.94 arc(53.82,20.89) 53.76,20.76 53.76,20.67 arc(53.82,20.55) 53.94,20.49 54.58,20.49 arc(54.71,20.44) 54.76,20.31 54.76,20.22 arc(54.71,20.1) 54.58,20.04 53.74,20.04 arc(53.62,19.99) 53.56,19.86 53.56,19.77 arc(53.62,19.65) 53.74,19.59 54.58,19.59 arc(54.71,19.54) 54.76,19.41 54.76,19.32 arc(54.71,19.2) 54.58,19.14 53.74,19.14 arc(53.62,19.09) 53.56,18.96 53.56,18.87 arc(53.62,18.75) 53.74,18.69 54.58,18.69 arc(54.71,18.64) 54.76,18.51 v1(54.76,18.1) ; v1(38.79,17.82) 38.73,17.76 38.73,14.07 39.04,13.75 v1(39.04,8.83)
  In5.Cu w0.169: v1(38.79,17.82) 39.07,18.1 v1(54.76,18.1)
  Bottom w0.169: v1(39.04,8.83) 39.05,8.82 J2101.31 ; U1701.96 55.76,25.18 v1(55.75,25.18)
GLCD_R4: length 46.6
  Top w0.169: RN2103.12 38.09,9.55 38.56,9.08 v1(38.56,8.32)
  In2.Cu w0.169: v1(56.13,18.58) 56.13,18.82 arc(56.09,18.92) 55.99,18.96 55.77,18.96 arc(55.68,19) 55.63,19.1 55.63,19.17 arc(55.68,19.27) 55.77,19.31 56.49,19.31 arc(56.59,19.35) 56.63,19.45 56.63,19.52 arc(56.59,19.62) 56.49,19.66 55.77,19.66 arc(55.68,19.7) 55.63,19.8 55.63,19.87 arc(55.68,19.97) 55.77,20.01 56.49,20.01 arc(56.59,20.05) 56.63,20.15 56.63,20.22 arc(56.59,20.32) 56.49,20.36 55.77,20.36 arc(55.68,20.4) 55.63,20.5 55.63,20.57 arc(55.68,20.67) 55.77,20.71 56.49,20.71 arc(56.59,20.75) 56.63,20.85 56.63,20.92 arc(56.59,21.02) 56.49,21.06 55.77,21.06 arc(55.68,21.1) 55.63,21.2 55.63,21.27 arc(55.68,21.37) 55.77,21.41 56.49,21.41 arc(56.59,21.45) 56.63,21.55 56.63,21.62 arc(56.59,21.72) 56.49,21.76 56.27,21.76 arc(56.18,21.8) 56.13,21.9 56.13,22.95 v1(56.16,22.97) ; v1(38.25,18.33) 38.25,13.88 38.56,13.58 v1(38.56,8.32)
  In5.Cu w0.169: v1(56.13,18.58) 51.15,18.58 arc(51.08,18.55) 51.05,18.48 arc(51.02,18.41) 50.95,18.38 50.79,18.38 arc(50.72,18.41) 50.69,18.48 arc(50.66,18.55) 50.59,18.58 50.43,18.58 arc(50.36,18.55) 50.33,18.48 arc(50.3,18.41) 50.23,18.38 50.07,18.38 arc(50,18.41) 49.97,18.48 arc(49.94,18.55) 49.87,18.58 49.71,18.58 arc(49.64,18.55) 49.61,18.48 arc(49.58,18.41) 49.51,18.38 49.35,18.38 arc(49.28,18.41) 49.25,18.48 arc(49.22,18.55) 49.15,18.58 48.99,18.58 arc(48.92,18.55) 48.89,18.48 arc(48.86,18.41) 48.79,18.38 48.63,18.38 arc(48.56,18.41) 48.53,18.48 arc(48.5,18.55) 48.43,18.58 48.27,18.58 arc(48.2,18.55) 48.17,18.48 arc(48.14,18.41) 48.07,18.38 47.91,18.38 arc(47.84,18.41) 47.81,18.48 arc(47.78,18.55) 47.71,18.58 47.55,18.58 arc(47.48,18.55) 47.45,18.48 arc(47.42,18.41) 47.35,18.38 47.19,18.38 arc(47.12,18.41) 47.09,18.48 arc(47.06,18.55) 46.99,18.58 46.83,18.58 arc(46.76,18.55) 46.73,18.48 arc(46.7,18.41) 46.63,18.38 46.47,18.38 arc(46.4,18.41) 46.37,18.48 arc(46.34,18.55) 46.27,18.58 46.11,18.58 arc(46.04,18.55) 46.01,18.48 arc(45.98,18.41) 45.91,18.38 45.75,18.38 arc(45.68,18.41) 45.65,18.48 arc(45.62,18.55) 45.55,18.58 45.39,18.58 arc(45.32,18.55) 45.29,18.48 arc(45.26,18.41) 45.19,18.38 45.03,18.38 arc(44.96,18.41) 44.93,18.48 arc(44.9,18.55) 44.83,18.58 44.67,18.58 arc(44.6,18.55) 44.57,18.48 arc(44.54,18.41) 44.47,18.38 44.31,18.38 arc(44.24,18.41) 44.21,18.48 arc(44.18,18.55) 44.11,18.58 43.95,18.58 arc(43.88,18.55) 43.85,18.48 arc(43.82,18.41) 43.75,18.38 43.59,18.38 arc(43.52,18.41) 43.49,18.48 arc(43.46,18.55) 43.39,18.58 43.23,18.58 arc(43.16,18.55) 43.13,18.48 arc(43.1,18.41) 43.03,18.38 42.87,18.38 arc(42.8,18.41) 42.77,18.48 arc(42.74,18.55) 42.67,18.58 38.51,18.58 v1(38.25,18.33)
  Bottom w0.169: v1(56.16,22.97) 56.16,22.98 U1701.95 ; v1(38.56,8.32) 38.55,8.31 J2101.32
GLCD_R5: length 47.3
  Top w0.169: v1(38.05,8.83) 38.05,8.95 37.59,9.42 RN2103.11
  In2.Cu w0.169: v1(38.05,8.83) 38.05,13.27 37.74,13.58 v1(37.74,18.96) ; v1(58.17,25.18) 57.73,25.62 57.17,25.62 56.91,25.37 56.91,19.07 v1(56.97,19.01)
  In5.Cu w0.169: v1(37.74,18.96) 37.8,19.02 50.71,19.02 arc(50.85,19.07) 50.9,19.21 50.9,19.48 arc(50.96,19.61) 51.09,19.67 51.18,19.67 arc(51.32,19.61) 51.37,19.48 51.37,19.21 arc(51.43,19.07) 51.56,19.02 51.65,19.02 arc(51.79,19.07) 51.84,19.21 51.84,19.48 arc(51.9,19.61) 52.03,19.67 52.12,19.67 arc(52.26,19.61) 52.31,19.48 52.31,19.21 arc(52.37,19.07) 52.5,19.02 52.59,19.02 arc(52.73,19.07) 52.78,19.21 52.78,19.48 arc(52.84,19.61) 52.97,19.67 53.06,19.67 arc(53.2,19.61) 53.25,19.48 53.25,19.21 arc(53.31,19.07) 53.44,19.02 53.53,19.02 arc(53.67,19.07) 53.72,19.21 53.72,19.48 arc(53.78,19.61) 53.91,19.67 54,19.67 arc(54.14,19.61) 54.19,19.48 54.19,19.21 arc(54.25,19.07) 54.38,19.02 54.47,19.02 arc(54.61,19.07) 54.66,19.21 54.66,19.48 arc(54.72,19.61) 54.85,19.67 54.94,19.67 arc(55.08,19.61) 55.13,19.48 55.13,19.21 arc(55.19,19.07) 55.32,19.02 55.41,19.02 arc(55.55,19.07) 55.6,19.21 55.6,19.48 arc(55.66,19.61) 55.79,19.67 55.88,19.67 arc(56.02,19.61) 56.07,19.48 56.07,19.21 arc(56.13,19.07) 56.26,19.02 56.97,19.02 v1(56.97,19.01)
  Bottom w0.169: J2101.33 v1(38.05,8.83) ; v1(58.17,25.18) 58.16,25.18 U1701.90
